# KiCad board Notecarrier-F.kicad_pcb (continued)
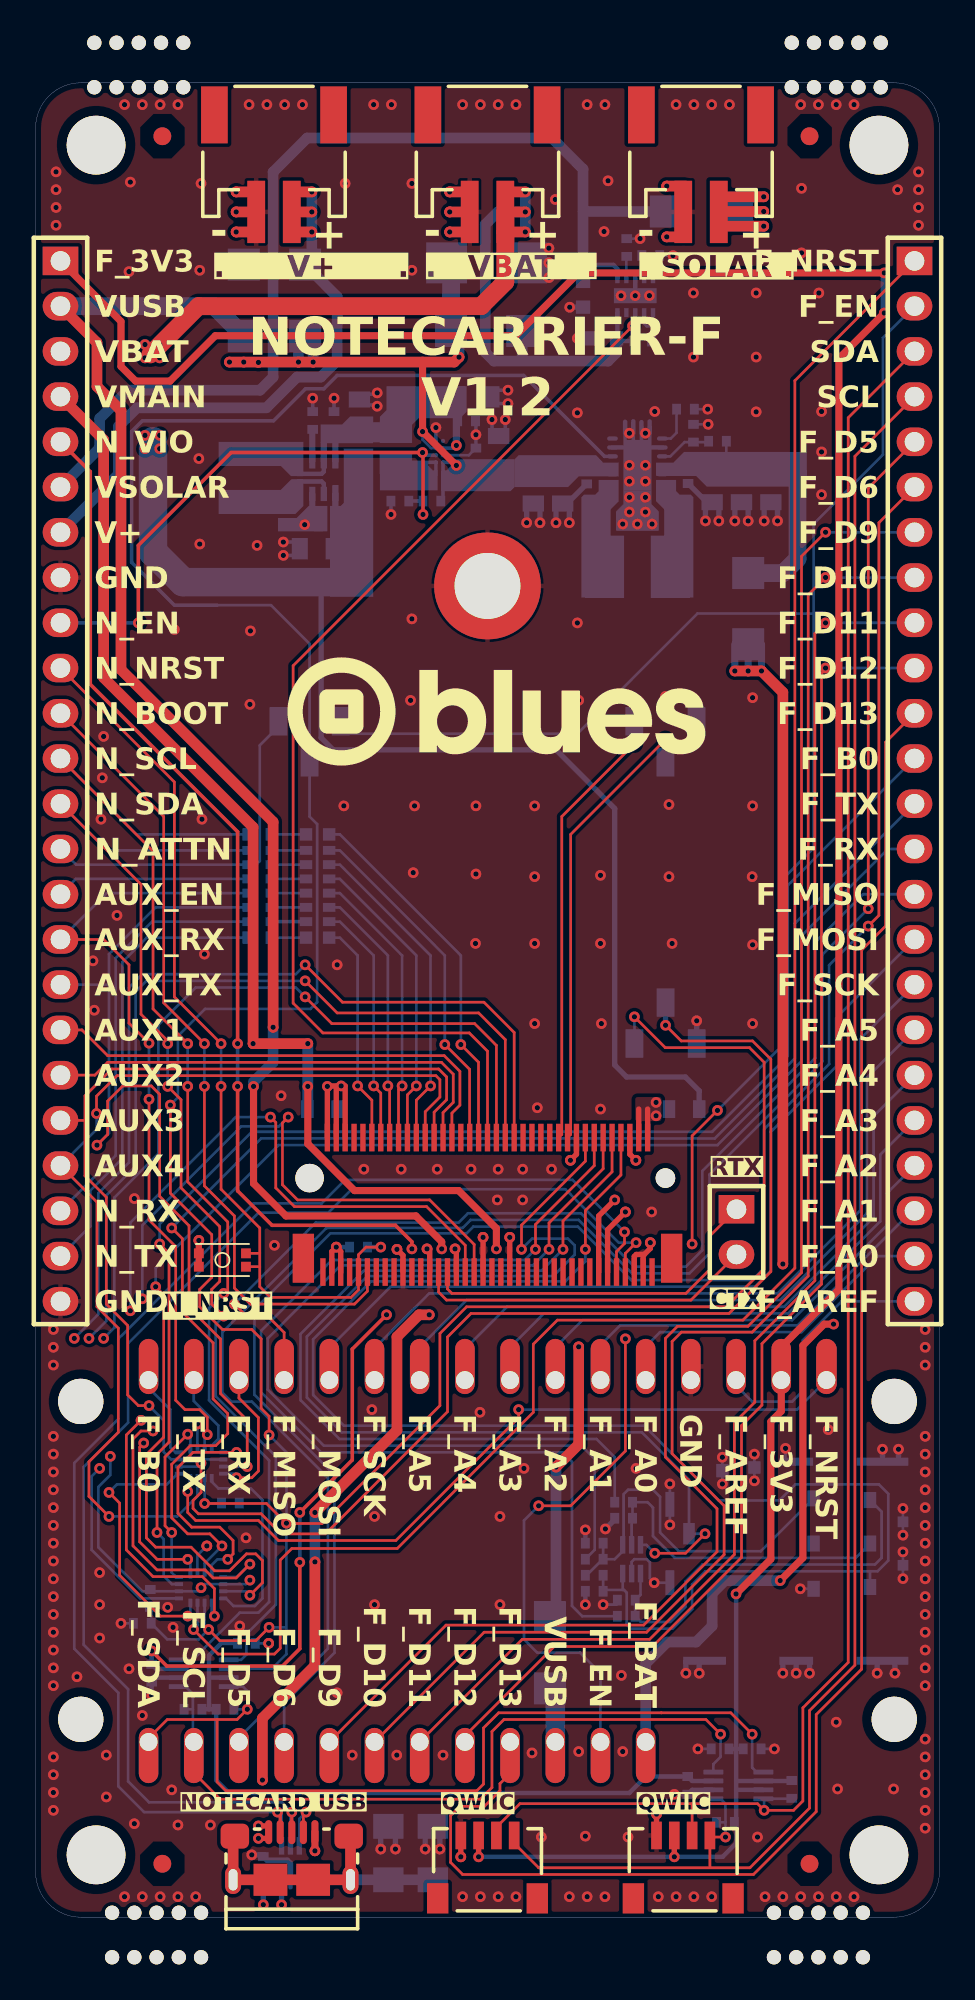
[diagram p0: board, top side]
## Routing (per net, layer and track width the routed paths; a pad name or vN(x,y) marks a point on that pad's centre or on a via; arc(x,y) is an arc through that point) (continued)
VBAT: length 58.9
  Top w0.6: J3.2 v1(27.53,95.75) ; 26.4,96.88 v1(27.53,96.88) ; 26.4,94.62 v1(27.53,94.62)
  Top w1: J3.2 26.4,91.82 25.04,90.46 9.16,90.46 6.45,87.75
  In1.Cu w1.6: J10.3 6.83,87.92
  Bottom w0.25: 32.7,88.7 32.7,90.1 ; 32.65,88.5 R2.2
  Bottom w0.6: C2.2 32.65,87.85 32.17,87.38 25.77,87.38 25.28,87.87 25.28,95.05 25.98,95.75 v1(27.53,95.75) ; v1(27.53,94.62) v1(27.53,95.75) ; v1(27.53,95.75) v1(27.53,96.88) ; 27.35,87.43 27.35,89.07
  vias: v1(6.15,88.31) v1(6.15,87.56) v1(6.97,88.31) v1(6.97,87.56)
/Feather/ALT_DFU_ACTIVE: length 67.8
  Top w0.15: v1(15.15,51.68) 16.65,50.18 24.67,50.18 25.9,48.95 J6.36
  In2.Cu w0.15: v1(4.2,25.88) 4.88,26.55 4.88,31.45 v1(3.83,32.5)
  Bottom w0.15: v1(15.15,51.68) 14.63,52.2 9,52.2 6.9,50.1 6.9,42.88 4.42,40.4 4.42,33.1 v1(3.83,32.5) ; 12.05,18.93 11.82,18.7 U5.6 9.5,18.7 9.1,18.3 U5.14 6,18.3 3.52,20.78 3.52,24.15 4.2,24.83 v1(4.2,25.88)
  vias: v1(9.3,18.5) v1(12.05,18.93)
/Feather/ALT_DFU_BOOT: length 69.7
  Top w0.15: 6.07,26.63 5.85,26.4 5.85,21.08 6.83,20.1 v1(8.55,20.1) ; v1(15.15,53.48) 17.25,51.38 25.2,51.38 26.9,49.68 J6.32
  In2.Cu w0.15: 6.08,26.63 5.33,27.38 5.33,32.03 4.27,33.08 2.75,33.08 v1(2.17,32.5)
  Bottom w0.15: v1(2.17,32.5) 3.52,33.85 3.52,40.65 5.25,42.38 5.25,52.2 6,52.95 14.62,52.95 v1(15.15,53.48) ; 8.7,19.35 8.7,20.1
  vias: v1(6.08,26.62)
/Feather/ALT_DFU_RESET: length 67.5
  Top w0.15: v1(15.15,52.58) 16.95,50.78 24.9,50.78 26.4,49.28 J6.34
  In2.Cu w0.15: v1(3.6,25.2) 3.6,26.1 4.42,26.93 4.42,31.08 v1(3,32.5)
  Bottom w0.15: v1(3.6,25.2) 3.15,24.75 3.15,20.63 5.88,17.9 U5.13 ; v1(15.15,52.58) 6.23,52.58 5.62,51.98 5.62,42.18 3.98,40.53 3.98,33.48 v1(3,32.5)
/Feather/ALT_DFU_RX: length 58
  Top w0.15: v1(14.2,44.92) 13.87,44.6 13.87,41.13 14.72,40.28 22.15,40.28 24.65,37.77 24.65,36.23 ; v1(6.6,27.3) 5.92,27.3 5.47,26.85 5.47,20.85 6.82,19.5 9.52,19.5 9.97,19.05 11.27,19.05 v1(12.04,19.83)
  In2.Cu w0.15: 6,34.73 7.88,32.85 7.88,28.58 v1(6.6,27.3)
  Bottom w0.15: U5.5 11.32,19.1 v1(12.05,19.83) ; v1(14.2,44.92) 13.67,44.4 11.55,44.4 6,38.85 6,34.73
  vias: v1(6,34.72)
/Feather/ALT_DFU_TX: length 57
  Top w0.15: 24.15,36.23 24.15,37.73 21.97,39.9 14.55,39.9 13.5,40.95 13.5,44.62 v1(13.2,44.92) ; v1(5.92,27.9) 5.1,27.08 5.1,20.63 6.6,19.13 9.37,19.13 10.05,18.45 10.05,16.91
  In2.Cu w0.15: v1(5.92,27.9) 6.45,27.9 7.42,28.88 7.42,32.7 6.08,34.05 v1(5.33,34.05)
  Bottom w0.15: 13.2,44.93 11.25,44.93 5.33,39 v1(5.33,34.05) ; 9.9,16.91 U5.9
  vias: v1(10.05,16.91)
/Feather/DFU_SW: length 66.9
  Top w0.15: 35.41,50.08 36.29,49.2 40.3,49.2 41.32,48.18 41.32,36.25 38.97,33.9 24.47,33.9 23.15,32.58 23.15,28.38 16.29,21.53 13.8,21.53 12.67,22.65 9.15,22.65 8.85,22.95 8.85,23.4 9.3,23.85 v1(9.3,25.5)
  Bottom w0.15: U6.6 9.5,25.7 v1(9.3,25.5) 9.1,25.3 U6.14
  Bottom w0.3: 35.41,50.08 SW4.2
  vias: v1(35.41,50.08)
/Feather/EN_F_BAT: length 196
  Top w0.15: v1(13.12,16.28) 12.37,15.53 10.35,15.53 v1(9.72,16.16) ; v1(13.12,27.08) 13.12,28.13 12.67,28.58 12.67,32.48 12.15,33 10.5,33 9.22,34.28 9.22,35.25 9.9,35.93 9.9,38.33 7.57,40.65 7.57,45.6 ; v1(33.66,50.56) 35.39,48.83 40.12,48.83 40.95,48 40.95,36.41 38.82,34.28 24.22,34.28 22.72,32.78 22.72,28.73 16.1,22.1 14.1,22.1 12.97,23.23 v1(9.5,23.23)
  Bottom w0.15: U6.10 v1(9.5,23.23) 10.43,23.23 C10.2 ; U5.10 9.5,16.38 v1(9.73,16.16) 9.17,15.6 7.4,15.6 C15.2 6.5,17.35 ; 10.85,13.95 13.27,13.95 14.1,14.78 14.1,21.9 ; v1(7.58,45.6) 8,46.03 8,49.48 9.52,51 15.45,51 15.83,51.38 15.83,61.38 15.4,61.8 SW3.2 15.4,71.5 13.23,73.67 10.2,73.67 ; v1(13.12,27.08) 14.1,26.1 14.1,22.13 ; v1(13.12,16.28) 14.03,16.28 ; SW4.3 v1(33.66,50.56)
  Bottom w0.2: 10.2,73.67 7.8,73.67 5.4,76.07 5.4,83.42 6,84.02 13.37,84.02 15.17,85.82 16.2,85.82 16.95,86.57 27.43,86.57 31.97,82.03 32.42,82.03
  vias: v1(14.1,22.12)
/Feather/F_A0: length 19.1
  Bottom w0.15: J9.23 47.32,37.12 43.05,32.85 35.1,32.85 34.29,32.04 MODL1.5
/Feather/F_A1: length 22.7
  Bottom w0.15: MODL1.6 31.75,32.13 32.85,33.23 42.83,33.23 49.26,39.66 J9.22
/Feather/F_A2: length 27.3
  Bottom w0.15: J9.21 47.85,40.65 47.85,38.85 42.53,33.53 30.74,33.53 29.21,32 MODL1.7
/Feather/F_A3: length 30.2
  Bottom w0.15: 26.67,32 28.57,33.9 42.3,33.9 47.47,39.08 47.47,42.82 J9.20
/Feather/F_A4: length 36.7
  Bottom w0.15: 24.13,31.91 26.5,34.28 42.08,34.28 47.1,39.3 47.1,44.98 J9.19
  Bottom w0.2: MODL1.9 24.13,31.91
/Feather/F_A5: length 41.5
  Bottom w0.15: J9.18 46.72,47.15 46.72,39.53 41.85,34.65 24.22,34.65 21.59,32.02
  Bottom w0.2: MODL1.10 21.59,32.02
/Feather/F_AREF: length 14.7
  Bottom w0.15: MODL1.3 39.37,29.86 40.28,28.95 42.53,28.95 43.12,29.55 43.12,32.4 45.31,34.58 J9.24
/Feather/F_B0: length 4.9
  Bottom w0.15: U6.16 7.85,26.1 7.58,26.38 7.58,28.5 6.35,29.73 MODL1.16
/Feather/F_B0_SW: length 80.3
  Top w0.15: 6.97,37.8 7.5,37.28 7.5,26.67 6.82,26 v1(6.82,21.6)
  Bottom w0.15: U5.15 7.66,18.7 7.2,19.16 7.2,21.23 v1(6.83,21.6) ; J9.12 42.28,57.94 42.28,48.35 38.03,44.1 12.15,44.1 6.98,38.93 v1(6.98,37.8)
/Feather/F_D5: length 110
  Top w0.15: 46.8,56.63 46.8,80.24 J9.5
  Bottom w0.15: 11.43,10.08 16.42,15.08 16.42,24.68 12.15,28.95 11,28.95 10.5,29.45 10.5,32.85 16.35,38.7 24,38.7 24.45,39.15 30.52,39.15 33.52,36.15 36.75,36.15 37.88,37.28 37.88,41.7 44.22,48.05 44.22,54.05 46.8,56.63
  vias: v1(46.8,56.62)
/Feather/F_D6: length 106.8
  Top w0.15: J9.6 47.4,78.3 47.4,56.25 v1(46.8,55.65)
  Bottom w0.15: v1(46.8,55.65) 44.6,53.45 44.6,47.9 40.95,44.25 40.95,36.46 40.27,35.78 33.47,35.78 30.47,38.78 24.6,38.78 24.22,38.4 16.58,38.4 12.3,34.13 12.3,29.33 16.8,24.83 16.8,14.85 13.97,12.02 MODR1.9
/Feather/F_D9: length 95.6
  Top w0.15: MODR1.8 23.07,16.4 34.18,16.4 38.3,20.52 38.3,22.93 35.4,25.83 35.4,32.5 36.07,33.18 40.03,33.18 43.05,36.19 43.05,76.42 44.4,77.77
  Bottom w0.15: 44.47,77.76 J9.7
  vias: v1(44.4,77.77)
/Feather/F_D10: length 90.9
  Top w0.15: 44.4,75.23 43.42,74.25 43.42,36 40.27,32.85 36.3,32.85 35.77,32.33 35.77,26.03 38.7,23.1 38.7,20.36 34.34,16 25.21,16 MODR1.7
  Bottom w0.15: 44.47,75.22 J9.8
  vias: v1(44.4,75.22)
/Feather/F_D11: length 81.4
  Top w0.15: v1(44.4,72.68) 43.8,72.08 43.8,35.74 40.42,32.37 40.42,28.92 39.27,27.77 39.27,20.37 34.51,15.6 27.35,15.6 MODR1.6
  Bottom w0.15: 44.47,72.68 J9.9
/Feather/F_D12: length 76.5
  Top w0.15: 44.48,70.14 44.17,69.84 44.17,35.55 40.82,32.2 40.82,28.75 39.67,27.6 39.67,20.2 34.67,15.2 29.15,15.2 24.13,10.18
  Bottom w0.15: 44.48,70.14 J9.10
  vias: v1(44.4,70.14)
/Feather/F_D13: length 93.4
  Top w0.15: 26.67,8.07 26.1,7.5 26.1,7.1 25.22,6.23 23.85,6.23 23.32,5.7 23.32,3.08 24,2.4 40.35,2.4 43.87,5.93 43.87,11.38 46.42,13.93 46.42,54.3 47.77,55.65 47.77,65.98 J9.11
/Feather/F_EN: length 123.1
  Top w0.15: v1(38.32,45.3) 36.9,43.88 v1(36.9,37.8) ; v1(33.15,32.48) 33.15,26.18 30.07,23.1 28.27,23.1
  In2.Cu w0.15: v1(36.9,37.8) 36.9,36.23 v1(33.15,32.48)
  Bottom w0.15: v1(38.33,45.3) 41.85,48.83 41.85,58.15 43.72,60.03 43.72,78.23 47.62,82.13 47.62,88.69 J9.2 ; 17.33,66.45 30.45,66.45 37.2,73.2 43.72,73.2 ; v1(28.28,23.1) 27.45,22.28 27.45,15.6 28.2,14.85 30.6,14.85 31.75,13.7 MODR1.2
/Feather/F_MISO: length 60.9
  Top w0.15: 13.97,32.01 13.97,32.83 12.9,33.9 11.7,33.9 11.17,34.43
  Bottom w0.15: 11.17,34.43 15.75,39 23.78,39 24.3,39.53 30.65,39.53 33.65,36.53 36.55,36.53 37.47,37.45 37.47,41.9 43.83,48.25 43.83,54.75 46.52,57.44 J9.15
  vias: v1(11.17,34.42)
/Feather/F_MOSI: length 50.4
  Bottom w0.15: 16.51,31.96 19.95,35.4 40.42,35.4 41.33,36.3 41.33,44.1 45,47.78 45,50.5 J9.16
  Bottom w0.2: MODL1.12 16.51,31.96
/Feather/F_NRST: length 42.5
  Top w0.15: v1(8.55,23.9) 8.55,22.73 9,22.27 12.53,22.27 13.65,21.15 20.25,21.15 27.15,28.05 v1(27.15,28.5)
  Bottom w0.15: MODL1.1 42.79,28.5 v1(27.15,28.5) ; 8.7,23.91 U6.12
/Feather/F_NRST_SW: length 109.4
  Top w0.15: J9.1 42.67,86.28 42.67,36.44 39.76,33.53 29.32,33.53 27.97,32.18 27.97,28.35 20.32,20.7 14.4,20.7 13.75,20.05 13.75,15.1 13.42,14.78 10.25,14.78 8.87,16.16
  Bottom w0.15: U5.11 9.1,16.38 v1(8.88,16.16)
/Feather/F_RX: length 7.7
  Top w0.15: MODL1.14 11.43,29.15 12.52,28.05 12.52,25.05 12.15,24.67 11.29,24.67
  Bottom w0.15: U6.8 11.3,24.9
  vias: v1(11.3,24.67)
/Feather/F_RX_SW: length 83.9
  Top w0.15: v1(12.04,18.08) 12.75,18.78 12.75,20.03 12.37,20.4 11.85,20.4 10.9,19.45 10.06,19.45 8.74,20.78 6.75,20.78 6.22,21.3 6.22,25.98 7.2,26.95 7.2,34.95 v1(6.75,35.4)
  Bottom w0.15: v1(6.75,35.4) 6.75,36.45 13.65,43.35 38.33,43.35 43.05,48.08 43.05,55.12 47.92,59.98 J9.14 ; v1(12.05,18.08) 11.82,18.3 U5.7
/Feather/F_SCK: length 46.2
  Bottom w0.15: J9.17 46.35,49.31 46.35,39.67 41.7,35.03 22.12,35.03 19.05,31.95
  Bottom w0.2: MODL1.11 19.05,31.95
/Feather/F_SCL: length 40.4
  Top w0.15: 9.1,7.9 10.38,6.62 25,6.62 25.65,7.28 25.65,10.43 26.32,11.1 37.67,11.1 v1(38.5,10.28)
  Bottom w0.15: R12.1 8.84,11.68 ; v1(38.5,10.28) 38.5,9 38.09,8.6 U1.4 ; U4.1 8.43,12.95 8.84,12.54 8.84,9.84
/Feather/F_SDA: length 49.9
  Top w0.15: v1(11.9,11.67) 11.32,11.1 10.2,11.1 ; MODR1.12 6.35,10.05 7.4,11.1 10.2,11.1 ; 40.27,10.28 39.07,11.48 35.17,11.48 26.03,11.48 25.17,10.62 25.17,7.47 24.8,7.1 10.7,7.1 10.2,7.6 10.2,11.1
  Bottom w0.15: v1(40.28,10.28) 40.28,8.4 40.53,8.15 U1.5 ; R11.1 11.9,11.68 11.9,12.7 11.65,12.95 10.85,12.95
/Feather/F_TX: length 4.6
  Bottom w0.15: MODL1.15 8.89,28.99 10.27,27.6 10.27,26.85 9.9,26.48 9.9,26.33
/Feather/F_TX_SW: length 81.2
  Top w0.15: v1(7.65,38.7) 8.25,38.1 8.25,33.98 9.97,32.25 9.97,29.1 10.8,28.28 10.8,27.15 10.12,26.48 8.69,26.48 7.65,25.43 7.65,22.43 8.55,21.53 9.8,21.53 10.48,20.85
  Bottom w0.15: J9.13 42.67,55.8 42.67,48.23 38.17,43.73 12.67,43.73 v1(7.65,38.7) ; 10.48,20.85 9.5,19.87 9.5,19.35
  vias: v1(10.48,20.84)
/Feather/F_VUSB: length 2.2
  Bottom w1.1: MODR1.3 29.21,12.08
/Feather/N_ATTN: length 19.6
  Bottom w0.15: 13.65,66.85 12.6,65.8 12.6,59.3 12.4,59.1 R20.6 2.28,59.1 J10.14
/Feather/N_AUX3: length 49.4
  Top w0.15: 6.37,28.73 5.77,28.73 5.17,29.33 5.17,33.23 3.97,34.43 3.97,40.43 2.77,41.63 2.77,46.12 4.28,47.63 22.66,47.63 23.1,47.18 23.1,45.9 22.4,45.2 J6.50 ; J10.20 2.73,44.74
  Bottom w0.15: U6.15 7.63,25.7 7.2,26.13 7.2,27.9 6.38,28.73
  vias: v1(6.38,28.72)
/Feather/N_AUX4: length 56.9
  Top w0.15: J6.52 21.9,45.23 22.72,46.05 22.72,47.03 22.5,47.25 4.57,47.25 3.43,46.1 3.43,45.13 ; J10.21 3.45,40.15 3.45,34.28 4.65,33.08 4.65,27.23 3,25.58 3,23.63 v1(4.12,22.5)
  Bottom w0.15: J10.21 3.43,44.23 3.43,45.13 ; U6.11 9.1,23.65 7.95,22.5 v1(4.12,22.5)
  vias: v1(3.43,45.12)
/Feather/N_AUX_RX: length 45.5
  Top w0.15: v1(9.65,27.09) 9.65,28.07 9.22,28.5 8.4,28.5 7.87,29.03 7.87,37.65 6.37,39.15 6.37,45.92 ; 6.37,49.08 5.25,50.2 5.25,53.48 3.82,54.9 J10.16
  Bottom w0.15: R20.4 4,57.5 J10.16 ; v1(6.38,45.92) v1(6.38,49.08) ; U6.3 9.5,27.09
/Feather/N_AUX_TX: length 53.1
  Top w0.15: v1(3.45,43.35) 4.05,43.95 4.05,45.83 4.9,46.67 6.5,46.67 6.97,46.2 6.97,40.48 8.62,38.83 8.62,34.23 10.39,32.46 10.39,29.4 11.89,27.9 11.89,25.3
  Bottom w0.15: J10.17 4.06,52.36 ; v1(3.45,43.35) 4.12,44.03 4.12,54.08 6.75,56.7 R20.3 ; U6.7 v1(11.9,25.3)
/Feather/SW_SCL: length 106.6
  Top w0.15: 26.9,4.59 26.9,4.15 28.27,2.78 40.15,2.78 43.5,6.13 43.5,11.6 46.05,14.15 46.05,82.03 J9.4 ; 37.9,2.8 37.9,4.59 37.99,4.5 38.77,4.5
  Bottom w0.15: U1.1 38.5,6.65 38.78,6.38 38.78,5.33 ; 38.78,5.33 v1(38.78,4.5) ; 38.78,5.33 38.28,5.33
/Feather/SW_SDA: length 105.9
  Top w0.15: J9.3 45.67,84.2 45.67,14.31 43.12,11.76 43.12,6.53 42.6,6 v1(40.95,6) 40.57,6.38 27.22,6.38 26.1,5.25 ; 36.9,4.59 36.9,6.38
  Bottom w0.15: R10.1 42.47,6.65 U1.8 ; v1(40.95,6) 40.95,6.6
/IO/N_AUX_EN: length 10.9
  Bottom w0.15: R20.5 2.26,58.3 J10.15
/IO/N_BOOT: length 45.5
  Top w0.15: J10.11 7.2,61.8 7.2,51.34 v1(9.49,49.05) ; 18.65,36.23 18.65,35.15 17.92,34.43 12.07,34.43 11.17,35.33 11.17,39.38 9.49,41.06 v1(9.49,46.65)
  Bottom w0.15: v1(9.49,46.65) v1(9.49,49.05)
/IO/N_NRST: length 51.1
  Top w0.15: v1(10.43,49.05) 7.8,51.68 7.8,63.74 J10.10 ; SW2.1 12.6,36.52 ; v1(10.43,46.65) 10.43,40.87 12.6,38.7 12.6,35.4 13.2,34.8 17.72,34.8 18.15,35.23 18.15,37.2 18.57,37.63 19.4,37.63 ; 11.82,37.27 12.6,37.27
  Bottom w0.15: v1(10.43,46.65) v1(10.43,49.05)
  Bottom w0.25: 18.65,37.63 19.4,37.63
  vias: v1(19.4,37.62)
/IO/N_RX: length 23.8
  Bottom w0.15: J10.22 4.5,42.76 4.5,53.85 6.55,55.9 R20.2
/IO/N_TX: length 25.6
  Bottom w0.15: R20.1 6.25,55 4.88,53.63 4.88,42.6 3.08,40.8 3.08,38.8 J10.23
/N_EN: length 32.6
  Top w0.2: v1(21.75,82.24) 10.99,82.24 5.77,77.03 5.77,72.68 ; 21.78,78.77 21.78,82.22
  Bottom w0.2: C31.1 R19.1 21.78,78.77 ; J10.9 1.41,72.68 v1(5.77,72.68) ; 21.75,82.09 U8.B1
  vias: v1(21.78,78.77)
/Notecard/ATTN_P: length 18.4
  Top w0.15: J6.54 21.4,45.87 v1(22.2,46.67)
  Bottom w0.15: R1.11 17.1,59.1 22.2,54 22.2,46.67
/Notecard/AUX_CHARGING: length 63.6
  Top w0.15: v1(33.55,89.35) 14.47,70.27 14.47,51.33 16.15,49.65 24.37,49.65 25.4,48.63 J6.38
  Bottom w0.15: 33.7,89.35 33.7,90.1
/Notecard/AUX_EN_P: length 17.1
  Top w0.15: J6.56 20.9,46.17 v1(21.4,46.67)
  Bottom w0.15: R1.12 17.1,58.3 21.4,54 21.4,46.67
/Notecard/AUX_RX_P: length 15.9
  Top w0.15: v1(20.6,46.67) 20.4,46.47 J6.58
  Bottom w0.15: 20.6,46.67 20.6,54 17.1,57.5 R1.13
/Notecard/AUX_TX_P: length 14.7
  Top w0.15: J6.60 19.9,46.57 v1(19.8,46.67)
  Bottom w0.15: R1.14 17.1,56.7 19.8,54 19.8,46.67
/Notecard/CTX: length 19.1
  Top w0.15: J11.2 36.83,34.65 23.1,34.65 22.65,35.1 22.65,36.23
/Notecard/D_N: length 75.6
  Top w0.15: 32.65,36.23 32.65,37.38 33.1,37.83 v1(33.1,38.47)
  Top w0.178: J4.2 13.75,5.75 v1(13.6,5.9)
  Bottom w0.15: 33.1,38.47 30.17,41.4 17.4,41.4 16.08,40.08 12.25,40.08 4.65,32.48 4.65,27.98 2.17,25.5 2.17,15.08 4.65,12.6 4.65,7.35 6.1,5.9 v1(13.6,5.9) ; 13.83,4.01 13.83,5.85
/Notecard/D_P: length 74.9
  Top w0.15: 33.15,36.23 33.15,37.27 v1(33.75,37.87)
  Top w0.178: J4.3 v1(14.4,5.9)
  Bottom w0.15: v1(14.4,5.9) 13.85,6.45 6.38,6.45 5.2,7.63 5.2,12.8 2.7,15.3 2.7,25.28 5.2,27.78 5.2,32.22 12.54,39.56 16.45,39.56 17.77,40.88 29.77,40.88 32.78,37.88 33.75,37.88 ; 14.33,4.01 14.33,5.83
  Bottom w0.178: 14.33,5.83 v1(14.4,5.9)
/Notecard/N_AUX1: length 27.3
  Top w0.15: J6.46 23.4,45.15 23.85,45.6 23.85,47.49 22.97,48.38 4.05,48.38 2.6,49.82 J10.18
/Notecard/N_AUX2: length 26.4
  Top w0.15: J10.19 3.33,47.28 4.05,48 22.81,48 23.47,47.34 23.47,45.75 22.9,45.18 J6.48
/Notecard/N_SCL: length 71.8
  Top w0.15: v1(8.55,46.65) 8.55,41.29 10.8,39.04 10.8,35.18 10.65,35.03 ; J10.12 6.6,59.86 6.6,51 v1(8.55,49.05)
  Bottom w0.15: 10.58,35.03 9.75,34.2 9.75,29.03 13.12,25.65 13.12,17.7 12.52,17.1 11.48,17.1 8.83,14.45 U4.4 ; v1(8.55,46.65) v1(8.55,49.05) ; J10.12 5.66,60.8 R20.8
  vias: v1(10.58,35.03)
/Notecard/N_SDA: length 67.1
  Top w0.15: 10.57,33.75 9.9,34.43 9.9,35.25 10.35,35.7 10.35,38.78 8.17,40.95 8.17,45.9 v1(7.43,46.65) ; J10.13 5.92,58 5.92,50.7 7.58,49.05
  Bottom w0.15: J10.13 4.02,59.9 R20.7 ; v1(7.43,46.65) v1(7.43,49.05) ; v1(10.58,33.75) 10.12,33.3 10.12,29.25 13.5,25.88 13.5,17.55 11.85,15.9 11.85,14.75 11.55,14.45 10.85,14.45
/Notecard/RTX: length 20.4
  Top w0.15: 23.15,36.23 23.15,35.28 23.4,35.03 36.55,35.03 37.9,36.38 37.9,38.26 J11.1
/Notecard/RX_P: length 13.7
  Top w0.15: J6.62 19.4,46.27 v1(19,46.67)
  Bottom w0.15: R1.15 17.1,55.9 19,54 19,46.67
/Notecard/SIM_CLK: length 58.1
  Top w0.15: 31.4,43.53 31.4,42.2 28.1,38.9 v1(28.1,37.5)
  Bottom w0.15: R8.1 30.72,16.9 30.15,17.48 30.15,25.58 29.62,26.1 16.05,26.1 12.67,29.48 12.67,32.93 16.65,36.9 27.5,36.9 v1(28.1,37.5)
/Notecard/SIM_IO: length 54
  Top w0.15: v1(28.86,37.5) 28.86,38.98 31.9,42.03 31.9,43.69
  Bottom w0.15: v1(28.86,37.5) 27.96,36.6 17.15,36.6 13.05,32.5 13.05,29.63 16.2,26.48 30.67,26.48 31.42,25.73 31.42,20.63 R9.1
/Notecard/SIM_NPRESENT: length 63.8
  Top w0.15: v1(27.31,37.5) 27.31,38.86 30.9,42.45 30.9,43.91 ; v1(37.62,21.53) 36.53,20.44 v1(34.8,20.44)
  Bottom w0.15: v1(34.8,20.44) 34.33,20.91 34,20.91 ; v1(37.62,21.53) J5.DSW 36.72,24.58 34.08,27.23 17.2,27.23 15.25,29.18 15.25,32.6 18.65,36 29.1,36 30.3,37.2 30.3,37.73 29.92,38.1 27.91,38.1 v1(27.31,37.5)
/Notecard/SIM_RST: length 49.3
  Top w0.15: 29.64,37.5 29.64,39.09 32.4,41.85 32.4,43.69
  Bottom w0.15: R7.1 32.55,25.83 31.53,26.85 17.08,26.85 14.89,29.03 14.89,32.74 18.45,36.3 28.44,36.3 v1(29.64,37.5)
/Notecard/SIM_VCC: length 90.1
  Top w0.15: J6.8 32.9,41.68 30.9,39.68 v1(30.9,37.5)
  Bottom w0.15: 33,18.38 TVS2.3 ; J5.C1 46.9,19.43 ; 46.9,19.43 47.33,19.43 47.92,20.03 47.92,23.78 47.4,24.3 42.7,24.3 41.8,23.4 38.4,23.4 34.2,27.6 17.33,27.6 15.6,29.33 15.6,32.45 18.85,35.7 29.78,35.7 30.9,36.83 v1(30.9,37.5) ; 46.9,19.43 37.65,19.43 36.9,18.68 36.9,17.3 35.8,16.2 33.45,16.2 33.22,16.43 33.22,18.23 33.08,18.38 31.9,18.38 R6.2
/Notecard/TX_P: length 12.6
  Top w0.15: v1(18.1,46.67) 18.9,45.88 J6.64
  Bottom w0.15: R1.16 17.1,55 18.1,54 18.1,46.67
F_3V3: length 165.5
  Top w0.3: v1(24.9,3.39) 24.9,4.59 ; v1(35.9,3.39) 35.9,4.59
  Top w0.4: 47.7,92.33 30.51,92.33 26.99,88.8 10.1,88.8 7.55,86.25 5.62,86.25 4.8,87.08 4.8,89.6 J10.1 ; 41.91,32.01 45.15,35.25 45.15,87.52 v1(47.7,90.08) ; v1(39.37,18.15) 41.32,20.11 41.32,27.83 41.91,28.41 MODL1.2
  Bottom w0.25: v1(39.37,18.15) 39.38,18.15 39.38,9.45 ; 39.38,9.45 39.77,9.45 ; 39.38,9.45 39.38,7.65 ; 39.38,9.45 38.97,9.45 ; 39.38,7.15 39.38,7.65 ; 39.38,7.15 39.38,4.15 38.61,3.39 v1(35.9,3.39) v1(24.9,3.39) ; 39.38,7.15 U1.7 ; 39.38,7.65 U1.6 42.5,7.65
  Bottom w0.4: v1(47.7,90.08) 47.7,92.33
  vias: v1(47.7,92.33)
F_BAT: length 114.9
  Top w0.4: v1(44.85,33.3) 44.32,33.3 43.12,32.1 43.12,20.18 v1(41.85,18.9)
  Top w0.6: v1(42,36.68) 42,68.78 v1(40.8,69.98) v1(40.05,69.98) v1(39.3,69.98)
  In2.Cu w0.6: v1(42,36.68) 42,36.15 v1(44.85,33.3)
  Bottom w0.25: U1.3 36.9,7.65 C11.1 34.3,7.9 33.38,6.98 10.88,6.98 10.15,7.7 R11.2 9.75,11.68 ; 9.75,11.68 R12.2 ; 9.75,11.68 9.75,13.45 ; 11.43,15.4 10.45,15.4 9.75,14.7 9.75,13.45 ; 9.75,13.45 10.85,13.45
  Bottom w0.4: v1(40.05,69.98) 40.05,71.48 ; v1(40.8,69.98) 40.8,71.48 ; v1(39.3,69.98) 39.3,71.48
  Bottom w0.6: MODR1.1 34.29,14.24 35.5,15.45 37.12,15.45 38.03,16.35 38.03,18.18 38.75,18.9 v1(41.85,18.9)
N_VIO: length 167
  Top w0.2: 11.35,49.05 11.35,60.95 3.07,69.23 3.07,81.17 J10.5 ; 19.72,33.83 17.8,31.9 17.8,25.68 14.85,22.73 ; v1(6.52,14.95) 7.37,14.1 13.87,14.1 14.85,15.08 14.85,19.93 ; 11.35,46.65 11.35,40.79 13.29,38.85 20.22,38.85 21.15,37.92 21.15,37.53
  In1.Cu w1.6: J10.5 6.83,82.84
  In2.Cu w0.2: 19.8,33.9 21.15,35.25 21.15,37.53
  Bottom w0.2: v1(11.35,46.65) v1(11.35,49.05) ; 14.85,19.93 14.85,22.73
  Bottom w0.25: v1(6.52,14.95) C13.1 6.77,13.95 U4.3
  Bottom w0.3: 16.05,74.63 16.05,66.23 16.72,65.55 29.25,65.55 32.55,62.25 32.55,47.85 33.22,47.18 36.53,47.18 37.3,46.4 F1.1
  Bottom w0.35: 16.85,76.94 16.85,79.97
  Bottom w1.6: 16.95,74.97 8.28,74.97 6.6,76.65 6.6,82.88
  vias: v1(6.15,83.2) v1(6.15,82.45) v1(6.97,83.2) v1(6.97,82.45) v1(14.85,22.72) v1(14.85,19.93) v1(19.72,33.83) v1(21.15,37.53)
V+: length 34.9
  Top w0.6: J1.2 v1(15.53,95.75) ; 14.4,96.88 v1(15.53,96.88) ; 14.4,94.62 v1(15.53,94.62)
  Bottom w0.6: J10.7 4.65,81.01 4.65,83.7 5.7,84.75 12.97,84.75 14.69,86.48 16.03,86.48 16.95,87.4 16.95,90.99 DS1.1 15.53,93.17 v1(15.53,94.62) v1(15.53,95.75) v1(15.53,96.88)
VIO_P: length 3.2
  Top w0.3: J6.2 34.4,45.38 ; J6.4 33.9,45.38
  vias: v1(34.88,45.75) v1(34.88,45)
VMAIN: length 131.5
  Top w0.4: 25.9,37.53 25.9,38.68 23.77,40.8 17.92,40.8 15.3,43.43 v1(15.3,46.65) ; v1(23.65,81.52) v1(21.75,83.42) 21.75,87.32
  Top w0.6: J10.4 3.82,82.96 3.82,69.6 12.22,61.2 v1(12.22,49.05) v1(15.3,49.05) ; 30.52,32.03 30.52,26.55 v1(29.25,25.28) ; v1(23.8,87.6) 23.53,87.32 v1(15.6,87.32) v1(10.89,87.32)
  In1.Cu w1.6: v1(12.52,87.3) 9.7,87.32 7.71,85.35 J10.4
  In2.Cu w0.6: 30.53,32.03 30.53,33.75 29.69,34.58 26.47,34.58 25.9,35.15 25.9,37.53
  Bottom w0.15: v1(21.75,83.42) 21.75,82.97 22.22,82.49 U8.C1
  Bottom w0.2: 23.7,81.69 U8.A2 22.9,79.64
  Bottom w0.6: v1(23.8,87.6) 23.8,88.69 ; v1(15.6,87.32) 15.6,88.42 ; 29.25,17.68 v1(29.25,25.28) ; v1(14.78,87.32) 14.78,88.42 ; 15.3,45.47 v1(15.3,49.05)
  Bottom w1: 23.35,89.07 23.35,92.87
  vias: v1(11.7,87.32) v1(25.9,37.53) v1(30.53,32.03)
VSOLAR: length 61.1
  Bottom w0.25: 30.77,92.78 32.47,92.78 32.7,92.55 32.7,92
  Bottom w0.6: J10.6 3.6,82.5 3.6,84.15 5.19,85.74 12.62,85.74 13.35,86.48 13.35,97.99 15.26,99.9 29.03,99.9 30.77,98.16 C1.2 ; DS3.2 13.33,92.79 ; 30.77,95.78 DS4.2
VUSB: length 136
  Top w0.3: 31.65,36.23 31.65,39.38 v1(32.55,40.28) ; v1(12.52,4.42) 13.1,4.42 ; v1(12.52,5.13) 13.1,5.13
  Top w0.4: v1(12.25,46.65) 12.25,41.2 14.07,39.38 21.37,39.38 22.82,37.93 22.82,37.53
  Top w0.6: v1(15.7,22.73) 20.31,27.34 20.31,32.59 21.55,33.83 22.12,33.83 ; v1(13.35,49.97) 13.35,61.5 4.8,70.05 4.8,84.6 3.45,85.95 3.45,88.41 J10.2 ; v1(15.7,19.95) 15.7,14.13 12.75,11.18 v1(12.75,7.7)
  In2.Cu w0.3: 22.83,37.53 22.83,38.35 23.7,39.23 31.5,39.23 v1(32.55,40.28)
  In2.Cu w0.4: 22.12,33.83 22.83,34.53 22.83,37.53
  In2.Cu w0.6: v1(12.52,4.43) v1(12.52,5.13) 12.52,7.48 v1(12.75,7.7)
  Bottom w0.3: v1(13.83,0.7) 13.83,2.4 ; v1(12.8,0.7) C3.1
  Bottom w0.6: v1(15.7,19.95) v1(15.7,22.73) ; v1(12.25,46.65) 12.25,46.9 13.35,48 v1(13.35,49.97)
  Bottom w1: J10.2 10.03,90.46 DS3.1
  vias: v1(22.12,33.83) v1(22.83,37.53)
Net-(DS4-A): length 12.7
  Top w0.6: 38.42,96.6 v1(40.92,96.6) ; 38.42,95.78 v1(40.92,95.78) ; 38.42,94.95 v1(40.92,94.95)
  Bottom w0.6: DS4.1 40.25,96.6 v1(40.92,96.6) ; DS4.1 v1(40.92,95.78) ; DS4.1 40.25,94.95 v1(40.92,94.95)
Net-(DS5-A): length 9
  Bottom w0.15: 38.83,81.93 R13.2
  Bottom w1: DS5.1 42.03,75.48 42.83,76.28 42.83,81.2
Net-(F2-Pad2): length 10.4
  Top w0.3: 16.42,46.67 17.4,46.67 J6.70 ; J6.72 16.9,46.65 ; J6.74 v1(16.4,46.65)
  Bottom w0.3: v1(16.4,46.65) 17.15,46.65
  vias: v1(17.17,46.67)
Net-(J4-ID): length 3.2
  Top w0.15: v1(15.2,5.9) 15.05,5.75 J4.4
  Bottom w0.15: 14.83,4.01 14.83,5.53 v1(15.2,5.9)
Net-(J4-Shield): length 16.1
  Top w0.6: J4.6 17.7,4.45 J4.6 J4.6 J4.6 J4.6 11.1,4.47
  Bottom w0.6: R5.1 C4.1 J4.6
Net-(J5-CLK): length 22.3
  Bottom w0.15: J5.C3 47.55,22.77 47.55,20.18 47.17,19.8 37.47,19.8 36.53,18.85 36.53,17.43 35.67,16.58 34.03,16.58 R8.2 C7.2 34,18.1 TVS2.1
Net-(J5-I/O): length 21.3
  Bottom w0.15: J5.C7 40.76,20.55 36.15,20.55 35.1,21.6 35.1,23.6 34.7,24 33.3,24 33.05,23.75 33.05,20.91 ; 30.9,19.13 31.8,20.03 ; 33,20.91 33,20.55 32.55,20.1 R9.2 C8.2
Net-(J5-RST): length 18.3
  Bottom w0.15: 33.5,20.91 33.5,22.35 ; J5.C2 46.09,20.18 35.92,20.18 34.7,21.4 34.7,23 34.4,23.3 R7.2 C6.2
Net-(J6-SCL_P): length 20.9
  Top w0.15: v1(23.9,49) 24.9,48 24.9,43.78
  Bottom w0.15: v1(23.9,49) 23.9,54 17.1,60.8 R1.9
Net-(J6-SDA_P): length 19.7
  Top w0.15: 24.39,43.78 24.39,47.61 v1(23,49)
  Bottom w0.15: R1.10 17.1,59.9 23,54 v1(23,49)
Net-(J6-VACT_GPS_IN): length 25.1
  Top w0.15: v1(33.65,65.87) 29.57,61.8 29.57,43.95 J6.22
  Bottom w0.3: v1(33.65,65.87) SW1.1
Net-(J6-VACT_GPS_OUT): length 25.9
  Top w0.15: J6.20 30.07,43.95 30.07,60.8 35.4,66.13
  Bottom w0.3: SW1.2 35.4,66.13
  vias: v1(35.4,66.12)
Net-(R1-R1_1): length 1.9
  Bottom w0.15: R20.16 R1.1
Net-(R1-R2_1): length 1.9
  Bottom w0.2: R20.15 R1.2
Net-(R1-R3_1): length 1.9
  Bottom w0.15: R20.14 R1.3
Net-(R1-R4_1): length 1.9
  Bottom w0.15: R20.13 R1.4
Net-(R1-R5_1): length 1.9
  Bottom w0.15: R20.12 R1.5
Net-(R1-R6_1): length 1.9
  Bottom w0.15: R20.11 R1.6
Net-(R1-R7_1): length 1.9
  Bottom w0.15: R20.10 R1.7
Net-(R1-R8_1): length 1.9
  Bottom w0.15: R20.9 R1.8
Net-(U2-ISET): length 1.2
  Bottom w0.15: 33.2,92 33.2,93.23
Net-(U2-TS): length 2.3
  Bottom w0.15: 34.7,92 34.7,92.57 34.58,92.7 34.2,92.7 ; 34.2,92.7 34.2,93.17 ; 34.2,92.7 34.2,92
Net-(U2-~{EN}): length 2.8
  Bottom w0.15: 34.2,90.1 34.2,89.47 34.35,89.33 34.7,89.33 ; 34.7,88.5 34.7,90.1
Net-(U3-FB): length 2.9
  Bottom w0.15: 35.22,82.03 35.67,82.03 36.47,82.83 R14.2 37.78,82.83
Net-(U3-VINA): length 2.3
  Bottom w0.15: 36.03,84.68 36.03,83.35 35.7,83.03 35.22,83.03
Net-(U5-COM1): length 14.7
  Top w0.15: 8.55,16.91 7.02,16.91 4.72,19.2 4.72,23.25 v1(4.12,23.85)
  Bottom w0.15: 7.98,24.9 7.38,24.3 4.58,24.3 v1(4.12,23.85) ; 8.7,16.91 U5.12
  vias: v1(8.55,16.91)
Net-(U5-COM2): length 9.7
  Top w0.15: v1(7.65,21.6) 7.27,21.98 7.27,25.84 v1(8.55,27.12)
  Bottom w0.15: U5.16 7.9,19.1 7.65,19.35 v1(7.65,21.6) ; U6.1 8.7,27.05
Net-(U5-COM3): length 13.3
  Top w0.15: v1(10.8,20.1) 11.1,20.4 11.1,21.15 10.35,21.9 8.77,21.9 8,22.68 8,25.25 8.85,26.1 11.29,26.1
  Bottom w0.15: 9.9,19.35 9.9,19.78 10.22,20.1 v1(10.8,20.1) ; U6.5 v1(11.3,26.1)
Net-(U5-COM4): length 11.4
  Bottom w0.15: 10.7,17.9 11.12,17.48 12.33,17.48 12.75,17.9 12.75,23.43 12.1,24.08 10.27,24.08 9.9,24.45 U6.9
Net-(U7-LX): length 2.1
  Bottom w0.25: U7.2 16.2,80.49 16.08,80.62 14.7,80.62
Net-(U7-SEL): length 1.8
  Bottom w0.3: 15.55,83.52 R17.1
  Bottom w0.35: 15.55,81.75 15.55,83.52
Net-(U8-SW): length 2.9
  Bottom w0.15: L3.2 20.28,81.69
  Bottom w0.2: 22.5,81.02 U8.A1 20.28,81.69

## Copper pours and planes (outline as drawn; the poured copper is in the pictures)
1V8 on Bottom (solid shape): 10.29,81.49 13.78,81.49 14.35,80.92 15.05,80.92 15.05,82.84 10.29,82.84
1V8 on Bottom (solid shape): 18.97,82.77 18.98,84.26 17.67,84.27 17.22,83.81 16.03,83.81 16.03,82.77
1V8 on Bottom (solid shape): 19.35,82.82 19.35,84.25 19.72,84.62 19.72,85.97 24.23,85.97 24.23,84.53 23.86,84.17 21.53,84.17 21.15,83.79 21.15,82.82
GND on Bottom (solid shape): 16.4,77.81 16.4,79.24 15.35,79.24 14.67,78.56 13.62,78.56 13.62,77.81
GND on Bottom (solid shape): 33.13,80.1 34.51,80.1 34.51,79.44 35.03,78.94 35.02,77.85 32.62,77.85 32.62,78.93 33.13,79.44
GND on Top: 0,0 50.8,0 50.8,103 0,103
GND on Bottom: 0,0 50.8,0 50.8,103 0,103
GND on In1.Cu: 0,0 50.8,0 50.8,103 0,103
GND on In2.Cu: 0,0 50.8,0 50.8,103 0,103
N_VIO on Bottom (solid shape): 18.98,82.47 17.32,82.47 17.32,79.41 17.15,79.24 16.55,79.24 16.55,74.14 18.97,74.14
VIO_P on Top: 35.17,46.05 35.17,44.7 33.7,44.7 33.7,46.05
VIO_P on Bottom: 36.08,46.05 36.08,44.7 34.58,44.7 34.58,46.05
VMAIN on Bottom (solid shape): 22.8,80.07 22.8,81.24 23.1,81.24 23.33,81.47 23.33,81.86 26.92,81.86 26.92,80.3 26.69,80.07
VMAIN on Bottom (solid shape): 32.78,81.67 31.9,81.67 31.5,82.09 27.15,82.09 26.92,81.86 26.92,80.3 29.92,80.3 30.53,80.9 32.78,80.9
VUSB on In2.Cu (solid shape): 14.1,0.38 12.53,0.38 12.53,3.08 12.68,3.23 12.68,3.78 12.23,4.23 12.23,5.4 14.1,5.4
Net-(DS5-A) on Bottom (solid shape): 34.88,81.67 35.85,81.68 36.45,82.28 43.35,82.28 43.35,80.33 37.72,80.33 37.12,80.92 34.88,80.92
Net-(U3-L1-1) on Bottom (solid shape): 32.78,80.7 32.78,79.5 32.33,79.05 32.32,74.1 30.67,74.1 30.67,79.73 30.83,79.88 31.45,79.88 31.65,80.08 31.65,80.7
Net-(U3-L2-1) on Bottom (solid shape): 34.88,80.7 34.88,79.5 35.32,79.05 35.33,74.1 36.97,74.1 36.97,79.73 36.83,79.88 36.2,79.88 36,80.08 36,80.7
Net-(U7-LX) on Bottom (solid shape): 10.29,80.14 13.78,80.14 14.38,80.74 15.05,80.74 15.05,79.24 14.6,78.79 10.29,78.79
Net-(U8-SW) on Bottom (solid shape): 19.35,80.12 19.35,82.24 21.15,82.24 21.15,81.77 22.05,81.77 22.05,81.52 22.33,81.24 22.6,81.24 22.6,80.12

Small or netless copper shapes (teardrops, artwork), in the pictures only: 1 on Bottom

## Text on the board
B.Silkscreen: FEATHER_EN | NORMAL | DFU | PASSIVE | ON | ACTIVE | AUX | GPS ANT. | N_ATTN | RTX | CTX | 2.5V - 5.5V | V+ | 3.3V - 4.2V | VBAT | 3.5V - 7V | SOLAR | SDA | SCL | F_NRST | F_EN | F_D5 | F_D6 | F_D9 | F_D10 | F_D11 | F_D12 | F_D13 | F_B0 | F_TX | F_RX | F_MISO | F_MOSI | F_SCK | F_A5 | F_A4 | F_A3 | F_A2 | F_A1 | F_A0 | F_AREF | F_3V3 | VUSB | VMAIN | N_VIO | VSOLAR | GND | N_EN | N_NRST | N_BOOT | N_SCL | N_SDA | AUX_EN | AUX_RX | AUX_TX | AUX1 | AUX2 | AUX3 | AUX4 | N_RX | N_TX | SIM
User.Comments: F.Silkscreen | F.Paste | F.Mask | F.Cu | Dielectric 1 | In1.Cu | Dielectric 2 | In2.Cu | Dielectric 3 | B.Cu | B.Mask | B.Paste | B.Silkscreen | Top Silk Screen | Top Solder Paste | Top Solder Mask | copper | prepreg | core | Bottom Solder Mask | Bottom Solder Paste | Bottom Silk Screen | Not specified | FR4-TG140 | 0 mm | 0.015 mm | 0.035 mm | 0.1 mm | 0.0175 mm | 1.265 mm | White | Black | FR4 natural | Copper Layer Count: | Board overall dimensions: | Min track/spacing: | Copper Finish: | Castellated pads: | Edge card connectors: | 4 | 50.8000 mm x 103.0000 mm | 0.1500 mm | ENIG | No | Board Thickness: | Min hole diameter: | Impedance Control: | Plated Board Edge: | 1.6000 mm | 0.3000 mm | Layer Name | Type | Material | Thickness (mm) | Color | BOARD CHARACTERISTICS
F.Silkscreen: - | + | NOTECARD USB | QWIIC | RTX | CTX | N_NRST | F_B0 | F_TX | F_RX | F_MISO | F_MOSI | F_SCK | F_A5 | F_A4 | F_A3 | F_A2 | F_A1 | F_A0 | GND | F_AREF | F_3V3 | F_NRST | F_SCL | F_D5 | F_D6 | F_D9 | F_D10 | F_D11 | F_D12 | F_D13 | VUSB | F_EN | VMAIN | N_VIO | VSOLAR | V+ | N_EN | N_BOOT | N_SCL | N_SDA | AUX_EN | AUX_RX | AUX_TX | AUX1 | AUX2 | AUX3 | AUX4 | N_RX | N_TX | .      V+      . | .   VBAT   . | . SOLAR . | SDA | SCL | F_SDA | VBAT | N_ATTN | F_BAT | V1.2 | NOTECARRIER-F
